# KiCad board ulx4m_panel.kicad_pcb (continued)
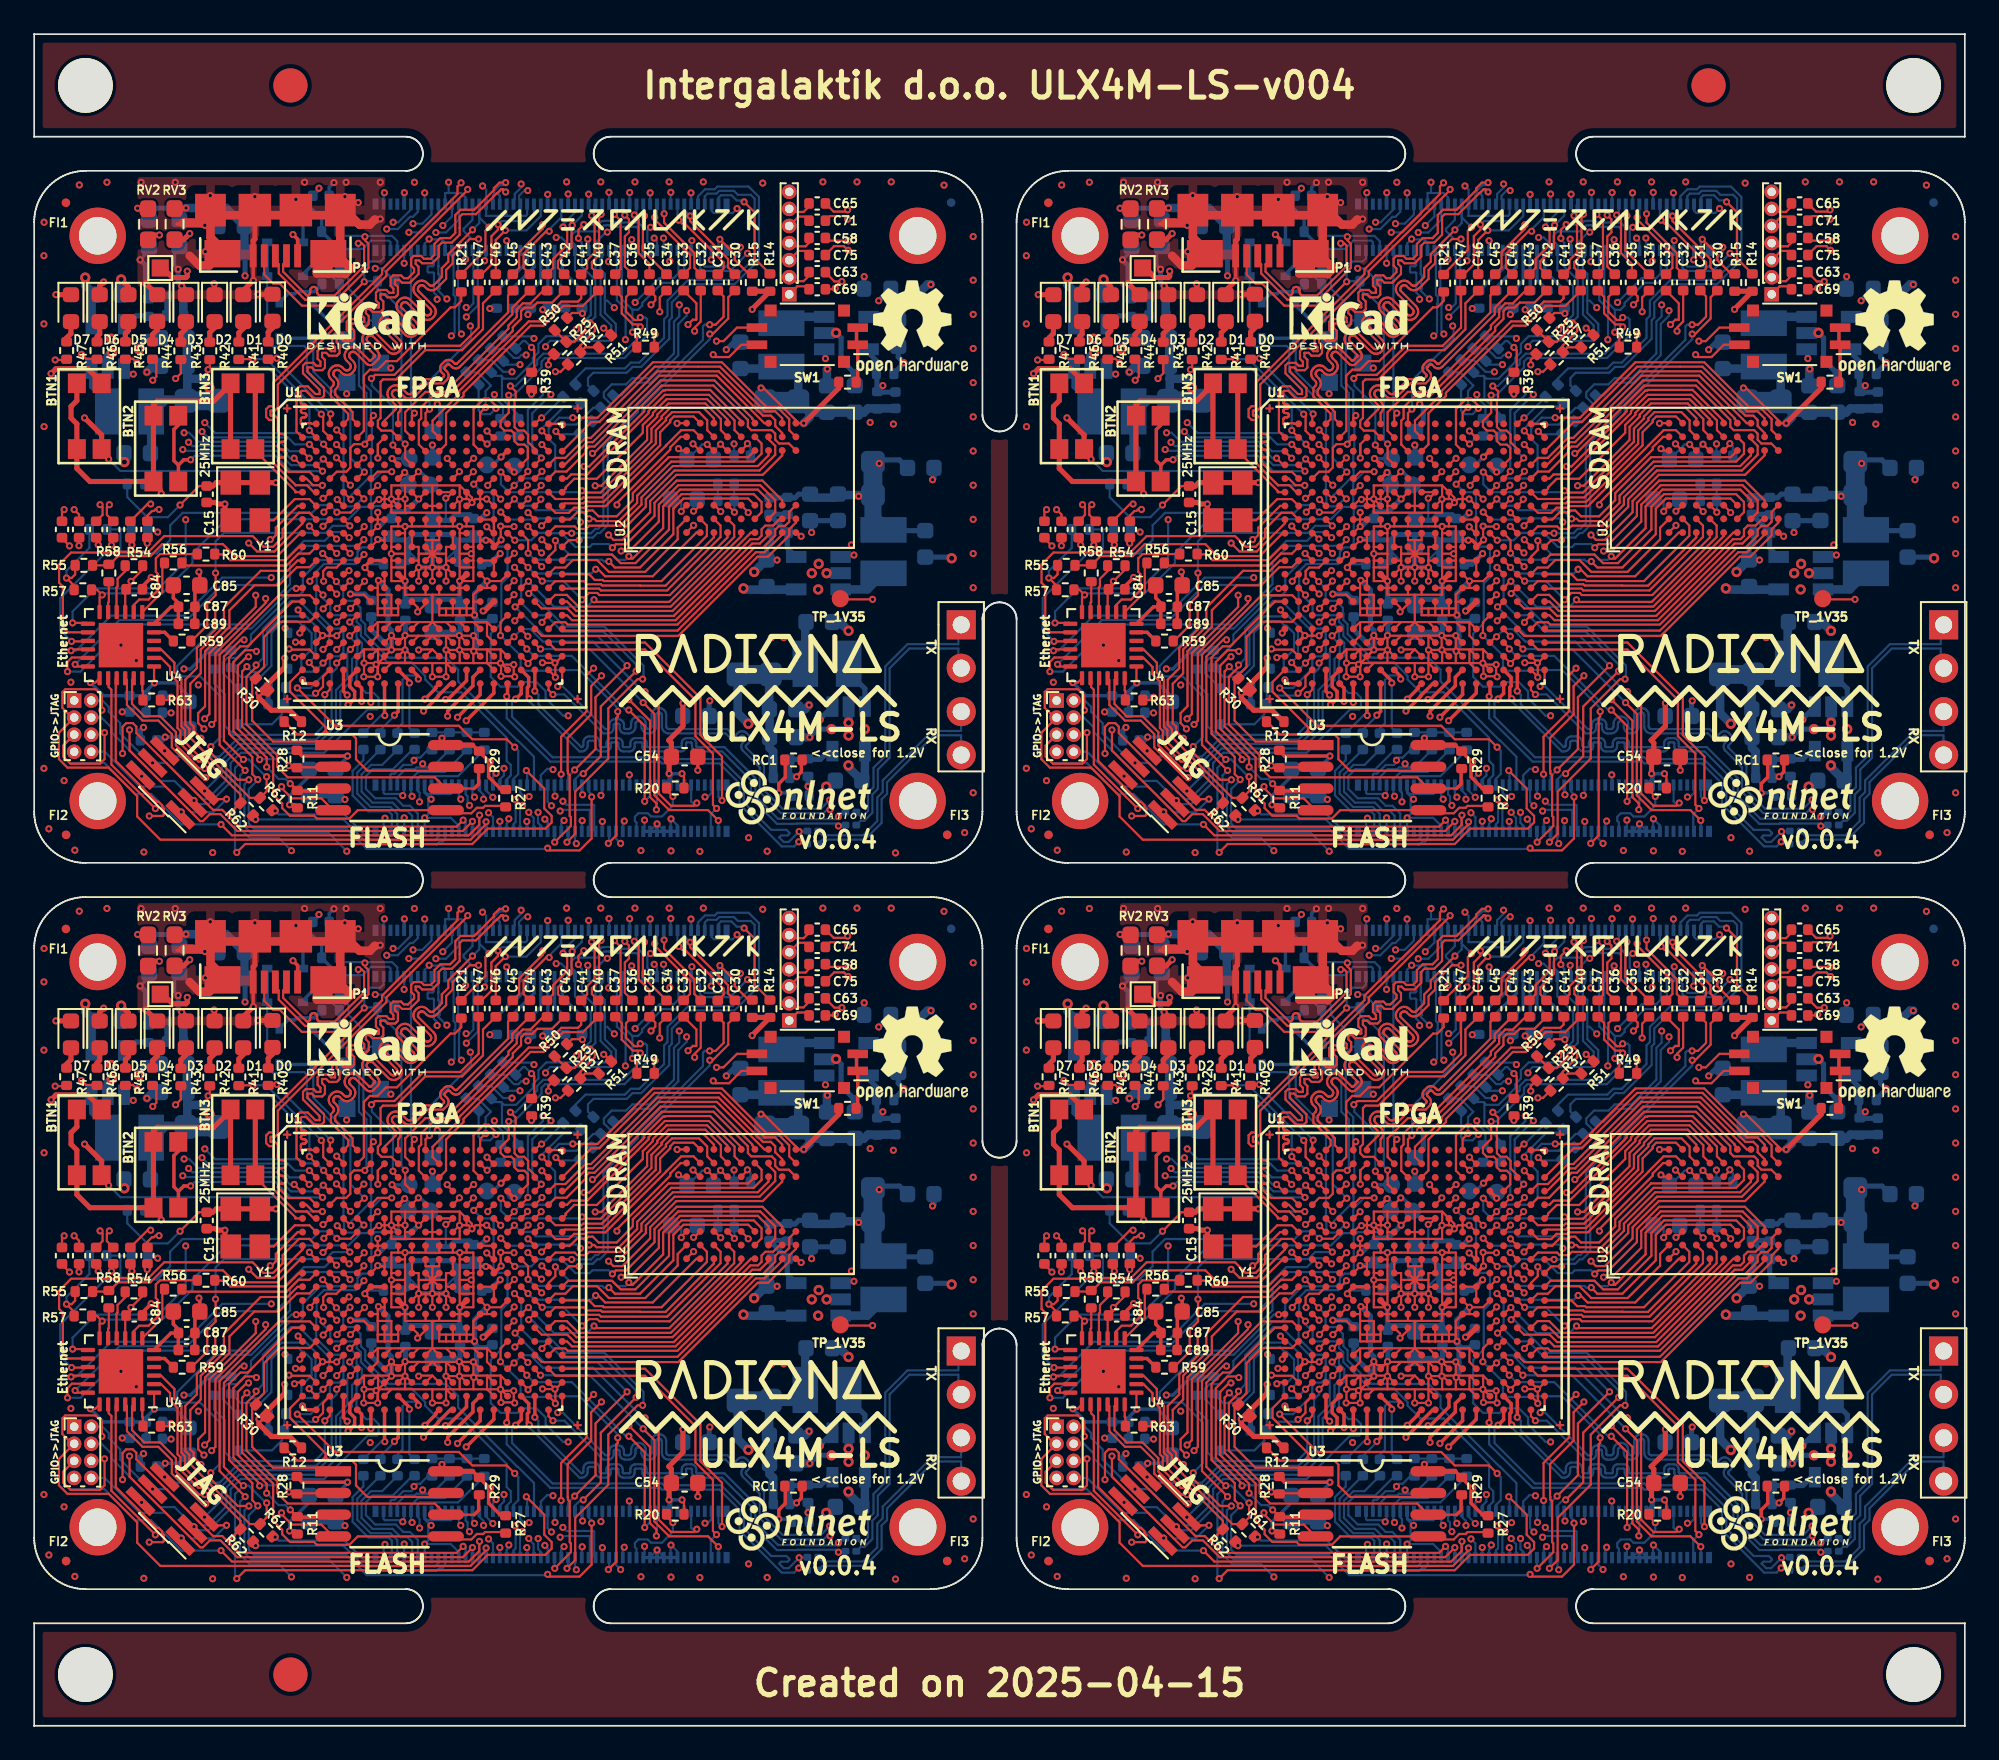
[diagram p0: board, top side]
## Routing (per net, layer and track width the routed paths; a pad name or vN(x,y) marks a point on that pad's centre or on a via; arc(x,y) is an arc through that point) (continued)
Board_0-DSI0_C_N: length 20.9
  Top w0.127: R39.1 29.28,79.37 29.28,80.51 v1(29.11,80.67)
  In2signal.Cu w0.127: v1(29.11,80.67) 29.3,80.67 29.76,81.12 v1(34.61,81.12)
  POWER.Cu w0.127: v1(35.18,83.31) 34.62,82.75 34.62,81.13 v1(34.61,81.12)
  Bottom w0.127: v1(35.18,83.31) 36.6,84.73 37.44,84.73 37.71,85 37.71,86.29 J2#2.87 ; 34.62,81.11 34.62,82.91 34.11,83.42 34.11,86.14 34.06,86.2 ; R38#2.2 28.62,81.05 28.74,81.05 v1(29.11,80.67)
Board_0-DSI0_C_P: length 20.5
  Top w0.127: v1(35.02,81.56) 35.28,81.3 R49#2.1
  In2signal.Cu w0.127: v1(29.26,81.2) 31.37,83.31 32.97,83.31 34.73,81.56 v1(35.02,81.56)
  Bottom w0.127: 34.46,86.2 34.4,86.14 34.4,83.49 35.02,82.87 ; 35.02,82.87 35.35,82.87 35.58,83.1 35.59,83.1 35.59,83.27 36.77,84.45 37.54,84.45 38.06,84.96 J2#2.89 ; 35.02,82.87 v1(35.02,81.56) ; v1(29.26,81.2) 29.14,81.32 R26#4.1
Board_0-DSI0_D0_N: length 16.3
  Top w0.127: v1(31.74,81.73) 32.26,82.25 32.59,82.25 32.82,82.02 32.82,81.63 31.97,80.78 R37#3.2 32.25,80.68 R51#2.1
  Bottom w0.127: 31.66,86.2 31.66,85.19 32.58,84.27 32.58,82.57 v1(31.74,81.73) ; J2#2.75 35.35,86.44 35.35,86.83 35.38,86.86 35.38,87.59 35.25,87.73 33.84,87.73 33.77,87.8 33.67,87.8 33.64,87.83 33.5,87.83 33.48,87.81 33.34,87.81 32.99,87.46 31.67,87.46 31.44,87.23 31.44,86.88 31.66,86.67 J2#2.57
Board_0-DSI0_D0_P: length 14.3
  Top w0.127: v1(31.86,87.06) 31.86,87.55 v1(32.17,87.86) ; R50#3.1 30.47,81.68 R25#3.1 31.62,81 v1(32.41,81.78)
  Bottom w0.127: v1(31.86,87.06) 31.86,87 32.06,86.8 J2#2.59 ; J2#2.77 35.64,86.37 35.64,87.7 35.36,87.98 33.95,87.98 33.88,88.05 33.78,88.05 33.75,88.08 33.39,88.08 33.38,88.07 33.24,88.07 33.04,87.86 v1(32.17,87.86) ; v1(32.41,81.78) 32.41,82.02 32.85,82.47 32.85,84.62 32.06,85.41 32.06,86.2
Board_0-DSI0_D1_N: length 22.3
  In2signal.Cu w0.127: v1(33.55,87.42) 34.04,87.91 35.3,87.91 36.14,87.07 v1(36.29,87.07)
  Bottom w0.127: 27.34,79.01 27.51,78.84 28.21,78.84 29.19,79.83 29.19,80.05 29.52,80.38 29.52,80.87 29.98,81.33 33.72,81.33 33.78,81.39 33.78,81.95 33.16,82.58 33.16,84.87 32.86,85.17 32.86,86.2 ; 27.34,79.01 26.96,79.01 R36#2.2 ; 27.34,79.01 27.38,78.96 27.38,77.68 28.32,76.74 R48#4.1 ; J2#2.81 36.46,86.9 v1(36.29,87.07) ; J2#2.63 32.86,86.8 33.47,87.42 v1(33.55,87.42)
Board_0-DSI0_D1_P: length 28.7
  In2signal.Cu w0.127: v1(33.96,83) 33.02,83.94 33.02,86.29 34.34,87.61 35.18,87.61 36.2,86.59 36.84,86.59 v1(36.84,87.07) ; v1(26.94,77.91) 26.94,78.55 27.64,79.24 v1(27.97,79.24) 28.68,79.24 29.94,80.5 v1(29.94,80.71)
  Bottom w0.127: v1(33.96,83) 33.55,83.41 33.41,83.41 ; v1(36.84,87.07) 36.86,87.05 J2#2.83 ; 33.26,86.2 33.26,85.96 33.15,85.85 33.15,85.24 33.41,84.98 33.41,83.41 ; R52.1 27.45,76.64 27.45,77.25 26.94,77.76 v1(26.94,77.91) ; 33.41,83.41 33.41,82.69 34.05,82.05 34.05,81.3 33.81,81.06 30.21,81.06 29.94,80.78 v1(29.94,80.71) ; R24#2.1 26.77,79.93 27.45,79.24 v1(27.97,79.24)
Board_0-DSI1_D2_N: length 21.5
  In2signal.Cu w0.127: v1(41.76,86.18) 41.95,85.99 41.95,84.43 40.89,83.37 37.97,83.37 v1(37.76,83.16)
  Bottom w0.127: v1(41.76,86.18) 40.73,85.14 39.16,85.14 38.98,85.33 38.98,85.91 38.86,86.04 J2#2.93 ; v1(37.76,83.16) 37.76,82.49 37.45,82.18 37.45,80.32 36,78.87 35.01,78.87 34.65,78.51 33.81,78.51 33.35,78.04 33.35,77.76 33.73,77.37 33.73,76.97 33.11,76.35 R34#2.2
Board_0-DSI1_D2_P: length 19.1
  In2signal.Cu w0.127: v1(41.34,86.53) 41.55,86.74 41.91,86.74 42.2,86.45 42.2,84.32 40.99,83.11 38.48,83.11 v1(38.19,82.82)
  Bottom w0.127: v1(41.34,86.53) 41.34,86.24 40.5,85.4 39.27,85.4 39.23,85.43 39.23,86.32 J2#2.95 ; R22#4.1 34.37,77.86 35.12,78.61 36.1,78.61 37.71,80.21 37.71,82.04 38.19,82.53 v1(38.19,82.82)
Board_0-DSI1_D3_N: length 23.1
  Bottom w0.127: R35#3.2 32.42,78.45 32.42,78.88 32.73,79.19 34.69,79.19 35.03,79.53 35.53,79.53 37.18,81.17 37.18,82.26 37.33,82.41 37.33,83.3 38.39,84.37 41,84.37 42.43,85.8 42.43,89.48 41.82,90.08 40,90.08 39.84,89.93 39.27,89.93 38.86,89.51 J2#2.94
Board_0-DSI1_D3_P: length 22.1
  Bottom w0.127: J2#2.96 39.26,89.51 39.42,89.67 39.94,89.67 40.1,89.83 40.97,89.83 41.2,89.6 41.95,89.6 42.18,89.37 42.18,85.9 40.89,84.62 38.28,84.62 37.07,83.41 37.07,82.52 36.87,82.32 36.87,81.23 35.43,79.78 34.93,79.78 34.59,79.44 32.28,79.44 31.69,78.85 R23.1
Board_0-ETH_0N: length 30.3
  Top w0.127: v1(7.09,53.68) 4.52,56.25 4.52,60.64 4.36,60.8 4.36,61.28 U4.20
  In2signal.Cu w0.127: v1(22.12,54.4) 22.12,54.11 21.83,53.81 15.46,53.81 14.73,53.09 13.85,53.09 13.24,53.7 9.73,53.7 9.12,53.09 8.43,53.09 7.84,53.68 v1(7.09,53.68)
  Bottom w0.127: R65#2.1 24.05,55.83 22.49,55.83 22.06,55.4 J1.10 22.06,54.47 v1(22.12,54.4)
Board_0-ETH_0P: length 33.2
  Top w0.127: U4.21 4.77,61.25 4.77,56.47 7.17,54.08 7.29,54.08 7.49,53.88 7.49,53.76 7.59,53.66 7.59,53.31 7.52,53.25 v1(6.74,53.25)
  In2signal.Cu w0.127: v1(22.56,54.08) 22.04,53.56 15.56,53.56 14.83,52.83 13.74,52.83 13.13,53.45 9.84,53.45 9.23,52.83 8.32,52.83 7.88,53.28 6.77,53.28 v1(6.74,53.25)
  Bottom w0.127: v1(22.56,54.08) 22.56,54.61 22.46,54.71 J1.12 22.46,55.44 22.59,55.58 24.81,55.58 R64#2.1
Board_0-ETH_1N: length 27.2
  Top w0.127: v1(10.04,55.49) 9.84,55.49 8.06,57.26 8.06,58.04 7.27,58.83 6.34,58.83 5.43,59.74 5.43,61.21 U4.22
  In2signal.Cu w0.127: v1(22.74,56.3) 22.66,56.3 21.26,54.91 16,54.91 15.4,54.31 13.79,54.31 13.4,54.7 11.21,54.7 10.42,55.49 v1(10.04,55.49)
  Bottom w0.127: R67#2.1 23.28,56.08 23.24,56.08 ; v1(22.74,56.3) 22.96,56.08 23.24,56.08 ; 23.24,56.08 22.38,56.08 22.28,55.98 21.73,55.98 21.26,55.51 J1.6
Board_0-ETH_1P: length 25.4
  Top w0.127: v1(9.98,56.03) 9.65,56.03 8.3,57.38 8.3,58.16 7.37,59.09 6.45,59.09 5.73,59.8 5.73,61.21 U4.23
  In2signal.Cu w0.127: v1(9.98,56.03) 10.28,56.03 11.35,54.96 13.68,54.96 14.07,54.56 15.25,54.56 15.85,55.16 21.18,55.16 22.24,56.22 v1(22.24,56.51)
  Bottom w0.127: v1(22.24,56.51) 22.39,56.67 22.6,56.67 23.05,57.12 R66#2.1 ; J1.4 20.86,55.66 20.92,55.73 21.1,55.73 21.61,56.23 22.08,56.23 22.33,56.49
Board_0-ETH_2N: length 8.2
  Bottom w0.127: J1.9 22.13,52.42 22.13,53.26 21.85,53.54 21.47,53.54 20.98,54.03 19.8,54.03 19.17,54.67 19.17,55.68 19.72,56.23 20.37,56.23 C73#2.2
Board_0-ETH_2P: length 8.6
  Bottom w0.127: 22.46,52.5 22.46,53.39 22,53.85 21.61,53.85 21.17,54.28 19.97,54.28 19.42,54.83 19.42,55.58 19.82,55.98 20.99,55.98 22.15,57.14
Board_0-ETH_3N: length 6.8
  Bottom w0.127: 21.26,52.5 21.26,53.37 20.85,53.77 19.7,53.77 18.91,54.56 18.91,55.79 20.26,57.14
Board_0-ETH_3P: length 6.7
  Bottom w0.127: J1.3 20.94,52.43 20.94,53.33 20.75,53.52 19.57,53.52 18.64,54.45 18.64,55.89 19.27,56.52 C62#3.1
Board_0-ETH_MDC: length 24.1
  Top w0.127: U1#2.J5 18.93,69.8 v1(19.32,70.19) ; U4.13 3.09,64.55 v1(2.25,64.55)
  In2signal.Cu w0.127: v1(8.87,70.59) 15.19,70.59 16,69.78 17.1,69.78 ; 17.08,69.78 17.32,70.01 17.32,70.55 17.4,70.63 18.88,70.63 v1(19.32,70.19)
  Bottom w0.127: v1(8.87,70.59) 8.87,68.16 7.28,66.57 3.6,66.57 2.25,65.22 v1(2.25,64.55)
Board_0-ETH_MDIO: length 24.2
  Top w0.127: U1#2.E6 20.11,73.4 v1(20.93,73.4) ; U4.12 3.83,66.04 v1(3.98,66.19) 3.68,66.49 R57.2
  Bottom w0.127: v1(3.98,66.19) 4.07,66.28 7.5,66.28 9.27,68.05 9.27,68.63 11.26,70.62 18.4,70.62 19.12,71.34 19.57,71.34 19.71,71.48 19.71,72.77 20.34,73.4 v1(20.93,73.4)
Board_0-ETH_nLED1: length 12.6
  Top w0.127: R62#4.1 12.96,53.12 v1(12.96,53.04)
  Bottom w0.127: v1(12.96,53.04) 18.1,53.04 19.57,51.57 23.57,51.57 23.75,51.75 23.92,51.75 24.06,51.89 J1.19
Board_0-ETH_nLED2: length 10.9
  Top w0.127: v1(14.11,53.55) 13.98,53.55 R61.1
  Bottom w0.127: v1(14.11,53.55) 14.32,53.34 18.17,53.34 19.68,51.83 23.46,51.83 23.66,52.02 J1.17
Board_0-ETH_~{RESET}: length 27.1
  Top w0.127: v1(2.19,63.47) 3.11,63.47 U4.15 ; U1#2.G5 18.52,71.01 17.74,71.01 v1(17.72,71.03)
  Bottom w0.127: 5.05,70.02 5.05,68.65 5.02,68.62 ; 5.05,70.02 C83#4.2 ; 5.05,70.02 R53#4.2 ; 5.02,68.62 7.18,68.62 7.96,69.4 7.96,70.26 8.69,70.99 16.26,70.99 16.71,71.44 17.31,71.44 v1(17.72,71.03) ; 5.02,68.62 4.15,68.62 1.53,66 1.53,64.13 v1(2.19,63.47)
Board_0-FPDI_CLK+: length 19.7
  Top w0.127: U1#2.J20 31.46,69.8 v1(31.46,69.79) ; v1(39.54,82) 39.89,82 40.36,82.47 40.36,83.66 C31#2.1
  Bottom w0.127: v1(39.54,82) 39.25,82 39.15,81.9 39.15,81.12 35.35,77.32 35.35,76.88 33.32,74.86 33.32,72.05 33.33,72.04 33.33,70.37 33.01,70.06 32.86,70.06 32.59,69.79 31.67,69.79 31.56,69.91
Board_0-FPDI_CLK-: length 20
  Top w0.127: v1(39.55,81.45) 39.72,81.45 40.63,82.36 40.63,83.61 C30#4.1 ; v1(31.9,69.39) 31.31,69.39 U1#2.K20
  Bottom w0.127: 31.97,69.54 32.7,69.54 32.97,69.8 33.12,69.8 33.58,70.27 33.58,72.15 33.58,72.15 33.58,74.75 35.6,76.78 35.6,77.21 39.55,81.16 v1(39.55,81.45)
Board_0-FPDI_D0+: length 21.3
  Top w0.127: v1(38.28,82.01) 38.56,82.29 38.77,82.29 38.77,83.25 C33#4.1 ; U1#2.F17 28.88,72.56 v1(28.88,72.61)
  In2signal.Cu w0.127: 33.4,77.63 33.46,77.7 33.48,77.72 33.49,77.75 33.5,77.77 33.5,77.8 33.49,77.83 33.48,77.86 33.46,77.88 33.36,77.98 33.31,78.04 33.27,78.12 33.26,78.19 33.26,78.27 33.27,78.35 33.31,78.43 33.36,78.49 33.46,78.59 33.52,78.64 33.59,78.67 33.67,78.69 33.75,78.69 33.83,78.67 33.9,78.64 33.96,78.59 34.07,78.48 34.09,78.46 34.12,78.45 34.14,78.44 34.17,78.44 34.2,78.45 34.22,78.46 34.25,78.48 35.43,79.66 36.14,79.66 38.28,81.8 v1(38.28,82.01) ; v1(28.88,72.61) 28.5,72.98 28.5,76.45 29.45,77.4 31.3,77.4 31.35,77.4 31.4,77.42 31.44,77.44 31.47,77.48 31.5,77.52 31.51,77.57 31.52,77.62 31.52,77.77 31.53,77.87 31.56,77.97 31.62,78.06 31.69,78.13 31.78,78.18 31.87,78.21 31.97,78.23 32.03,78.23 32.13,78.21 32.22,78.18 32.31,78.13 32.38,78.06 32.44,77.97 32.47,77.87 32.48,77.77 32.48,77.62 32.49,77.57 32.5,77.52 32.53,77.48 32.56,77.44 32.6,77.42 32.65,77.4 32.7,77.4 33.16,77.4 33.4,77.64
Board_0-FPDI_D0-: length 22
  Top w0.127: v1(38.66,81.62) 38.66,81.83 39.02,82.19 C32.1 ; U1#2.G18 29.66,71.75 v1(29.66,71.79)
  In2signal.Cu w0.127: v1(29.66,71.79) 29.28,72.17 29.28,72.79 29.3,72.81 29.3,73.6 28.76,74.14 28.76,76.35 29.55,77.14 31.33,77.14 31.43,77.15 31.52,77.18 31.61,77.23 31.68,77.31 31.74,77.39 31.77,77.49 31.78,77.59 31.78,77.75 31.79,77.79 31.8,77.84 31.83,77.88 31.86,77.92 31.9,77.94 31.95,77.96 32,77.97 32.05,77.96 32.1,77.94 32.14,77.92 32.17,77.88 32.2,77.84 32.21,77.79 32.22,77.75 32.22,77.59 32.23,77.49 32.26,77.39 32.32,77.31 32.39,77.23 32.48,77.18 32.57,77.15 32.67,77.14 33.26,77.14 33.47,77.35 33.5,77.38 33.66,77.54 33.71,77.6 33.74,77.67 33.76,77.75 33.76,77.83 33.74,77.91 33.71,77.98 33.66,78.04 33.55,78.15 33.54,78.17 33.52,78.19 33.52,78.22 33.52,78.25 33.52,78.28 33.54,78.3 33.55,78.32 33.62,78.39 33.64,78.41 33.67,78.42 33.7,78.43 33.72,78.43 33.75,78.42 33.78,78.41 33.8,78.39 33.9,78.29 33.97,78.24 34.04,78.2 34.12,78.18 34.2,78.18 34.27,78.2 34.35,78.24 34.41,78.29 35.53,79.41 36.24,79.41 38.46,81.62 v1(38.66,81.62)
Board_0-FPDI_D1+: length 17
  Top w0.127: U1#2.D18 29.69,74.17 v1(29.69,74.2) ; C35.1 36.36,83.66 36.36,83.42 v1(36.11,83.17)
  In2signal.Cu w0.127: v1(30.25,77.91) 30.48,78.14 31.25,78.14 32.57,79.46 34.38,79.46 35.61,80.69 36.58,80.69 37.13,81.23 37.13,82.82 36.78,83.17 v1(36.11,83.17)
  Bottom w0.127: v1(29.69,74.2) 29.16,74.73 29.16,76.82 v1(30.25,77.91)
Board_0-FPDI_D1-: length 17
  Top w0.127: C34.1 36.62,83.6 v1(36.62,82.76) ; v1(28.9,73.42) 28.9,73.39 U1#2.E17
  In2signal.Cu w0.127: v1(36.62,82.76) 36.83,82.55 36.83,81.3 36.48,80.94 35.51,80.94 34.28,79.71 32.47,79.71 31.15,78.4 29.99,78.4 v1(29.78,78.19)
  Bottom w0.127: v1(29.78,78.19) 29.78,77.89 28.9,77.01 v1(28.9,73.42)
Board_0-FPDI_D2+: length 17.1
  Top w0.127: U1#2.C18 29.31,74.73 28.92,75.12 28.92,75.56 28.68,75.81 28.32,75.81 28.12,76.01 28.12,77.55 28.19,77.62 28.19,78.1 v1(27.88,78.41) ; v1(35.48,81.87) 35.33,82.02 35.04,82.02 34.39,82.66 34.39,83.62 C37#4.1
  Bottom w0.127: v1(27.88,78.41) 28.17,78.41 29.45,79.68 29.45,79.95 29.8,80.3 34.44,80.3 35.48,81.35 v1(35.48,81.87)
Board_0-FPDI_D2-: length 19.2
  Top w0.127: v1(35.48,82.42) 35.33,82.27 35.14,82.27 34.65,82.77 34.65,83.62 C36#4.1 ; v1(27.78,77.87) 27.78,76.85 27.3,76.36 27.3,76.03 27.52,75.81 27.93,75.81 28.11,75.63 28.11,75.2 28.32,74.99 28.7,74.99 28.9,74.78 28.9,74.19 U1#2.D17
  Bottom w0.127: v1(27.78,77.87) 28.08,77.87 29.7,79.49 29.7,79.84 29.91,80.05 34.55,80.05 35.88,81.38 35.88,82.32 35.78,82.42 v1(35.48,82.42)
Board_0-GLOBAL_EN: length 18.5
  Top w0.127: U1#2.U18 29.31,63.35 v1(29.64,63.02) ; v1(40.05,52.99) 39.44,53.59 37.17,53.59 36.31,54.46 36.31,59.23 v1(35.65,59.88)
  Bottom w0.127: v1(40.05,52.99) 40.06,52.98 J1.99 ; v1(29.64,63.02) 32.51,63.02 v1(35.65,59.88)
Board_0-GN0: length 14.4
  Top w0.127: C40.1 32.12,83.09 30.97,83.09 29.81,81.94 29.05,81.94 25.13,78.02 25.13,77.84 24.11,76.82 24.11,75 U1#2.C11
Board_0-GN3: length 14.4
  Top w0.127: U1#2.C10 22.52,74.99 22.52,76.38 22.66,76.52 22.66,77.16 23.3,77.81 24.19,77.81 28.02,81.64 28.02,81.85 28.5,82.34 28.5,82.79 28.71,83 29.16,83 29.46,83.29 30.32,83.29 C42#2.1
Board_0-GN4: length 14
  Top w0.127: U1#2.A8 21.31,76.83 21.33,76.85 21.39,76.93 21.44,77.02 21.46,77.12 21.46,77.22 21.44,77.32 21.39,77.41 21.33,77.48 21.01,77.81 20.98,77.85 20.96,77.89 20.94,77.94 20.94,77.99 20.96,78.04 20.98,78.08 21.01,78.12 21.05,78.15 21.09,78.17 21.14,78.19 21.19,78.19 21.24,78.17 21.28,78.15 21.32,78.12 21.64,77.8 21.72,77.74 21.81,77.69 21.91,77.67 22.01,77.67 22.11,77.69 22.2,77.74 22.28,77.8 23.04,78.56 23.95,78.56 24.16,78.78 24.21,78.84 24.24,78.91 24.26,78.98 24.26,79.06 24.24,79.13 24.21,79.2 24.16,79.26 24.06,79.37 24.04,79.39 24.03,79.41 24.02,79.43 24.02,79.46 24.03,79.48 24.04,79.5 24.06,79.52 24.18,79.65 24.2,79.66 24.22,79.67 24.24,79.68 24.27,79.68 24.29,79.67 24.32,79.66 24.34,79.65 24.44,79.54 24.5,79.49 24.57,79.46 24.64,79.44 24.72,79.44 24.8,79.46 24.87,79.49 24.93,79.54 27.99,82.61 27.99,83 28.99,84 C44#4.1
Board_0-GN5: length 14
  Top w0.127: U1#2.B8 20.91,75.8 20.33,75.8 20.12,76.01 20.12,76.38 20.28,76.54 20.28,78.66 20.42,78.8 21.18,78.8 22.89,80.51 25.05,80.51 26.27,81.73 26.27,83.25 C46.1
Board_0-GND: length 339.2
  Top w0.127: 24.91,72.6 24.91,71.8 v1(24.9,71.79) ; 24.91,72.6 25.63,71.88 v1(25.63,71.59) ; 24.91,72.6 23.31,72.6 ; 23.31,69.4 22.91,69.4 U1#2.J10 ; 23.31,69.4 23.31,68.6 ; 23.31,69.4 23.71,69.4 U1#2.J11 ; v1(21.71,71.8) 21.71,71.4 ; v1(21.71,71.8) 21.71,72.6 ; v1(21.71,71.8) 21.31,71.8 ; 21.71,71.4 21.71,71 ; 21.71,71.4 U1#2.G9 ; U1#2.U7 20.91,63.8 v1(20.91,63.82) ; v1(27.31,70.21) 27.34,70.21 27.34,70.21 ; v1(27.31,70.21) 27.33,70.19 28.09,70.19 v1(28.09,70.19) ; v1(27.31,70.21) 27.31,69.44 v1(27.34,69.41) 27.32,69.41 ; 23.31,68.6 22.51,68.6 ; 23.31,68.6 v1(23.31,67.8) ; 23.31,68.6 U1#2.L11 ; 23.31,68.6 24.11,68.6 ; 23.31,68.6 U1#2.K11 ; 23.31,68.6 U1#2.L10 ; 23.31,68.6 U1#2.K10 ; 20.11,66.6 20.11,66.2 ; 20.11,66.6 U1#2.N6 ; 20.11,66.6 20.11,67 ; 20.11,66.2 20.11,65.4 ; 20.11,66.2 20.91,66.2 20.91,65.4 ; U1#2.H19 30.07,70.6 v1(29.71,70.23) ; v1(24.9,71.79) 24.91,71.8 25.31,71.8 ; v1(24.9,71.79) 24.9,71.79 U1#2.G12 ; v1(24.9,71.79) 24.91,71.78 24.91,71 23.31,71 ; v1(24.88,63.81) 24.87,63.8 24.11,63.8 ; v1(24.88,63.81) 24.9,63.8 v1(25.71,63.8) ; v1(24.88,63.81) 24.89,63.81 U1#2.U13 ; v1(24.88,63.81) 24.88,63.04 24.93,63 ; 23.71,67.8 v1(23.31,67.8) ; 23.71,67.8 U1#2.M11 ; 23.71,67.8 v1(24.11,67.8) ; v1(23.31,67.8) v1(23.31,67) ; v1(23.31,67.8) 22.91,67.8 ; v1(20.91,71.8) 20.21,71.8 v1(20.19,71.77) 20.09,71.77 U1#2.G6 ; v1(20.91,71.8) 20.91,71 21.71,71 ; v1(20.91,71.8) U1#2.G8 ; v1(20.91,71.8) 20.91,72.6 21.71,72.6 ; v1(20.91,71.8) 21.31,71.8 ; 20.51,65.4 20.51,65 ; 20.51,65.4 20.91,65.4 ; 20.51,65.4 U1#2.P7 ; 20.51,65.4 20.11,65.4 ; 20.51,65 20.11,65 20.11,65.4 ; 20.51,65 20.91,65 ; v1(22.51,67.8) 22.51,68.2 ; v1(22.51,67.8) U1#2.M9 ; v1(22.51,67.8) 22.91,67.8 ; v1(22.51,67.8) v1(22.51,67) ; 22.51,68.2 22.51,68.6 ; 22.51,68.2 U1#2.L9 ; v1(36.35,81.44) 36.3,81.39 R49#2.2 ; U2#2.D7 40.55,74.64 v1(40.18,75.01) ; v1(40.19,71.07) 39.82,71.44 U2#2.C3 ; v1(20.02,62.12) 20.02,62.1 U1#2.W6 ; v1(20.02,62.12) 20.09,62.2 20.91,62.2 ; v1(20.02,62.12) 20.11,62.03 v1(20.11,61.4) ; v1(20.02,62.12) 20.13,62.23 20.13,63 ; v1(20.02,62.12) 19.95,62.2 v1(19.31,62.2) ; 24.11,62.2 v1(24.11,62.97) ; 24.11,62.2 23.31,62.2 ; 24.11,62.2 24.91,62.2 ; 24.11,62.2 v1(24.11,61.4) v1(23.31,61.4) 23.31,62.2 ; 24.11,62.2 U1#2.W12 ; v1(24.11,62.97) 24.14,62.97 U1#2.V12 ; v1(24.11,62.97) v1(24.9,62.97) 24.93,63 24.93,63 ; v1(24.11,62.97) 24.11,63.76 ; v1(37.88,71.07) 37.88,71.13 U2#2.A3 ; v3(14.48,54.97) 14.48,54.89 15.09,54.28 16.81,54.28 U3.4 ; 25.31,71.8 25.42,71.8 v1(25.63,71.59) ; 25.31,71.8 U1#2.F13 ; 24.51,65.4 24.51,65 ; 24.51,65.4 U1#2.P12 ; 24.51,65.4 24.11,65.4 ; 24.51,65.4 24.91,65.4 ; 24.51,65 24.11,65 ; 24.51,65 24.91,65 ; 23.31,62.2 21.71,62.2 ; U1#2.F7 U1#2.G7 ; U1#2.G17 28.91,71.8 v1(28.91,71.81) ; v1(24.11,67) v1(24.11,67.8) ; v1(24.11,67.8) U1#2.M12 ; v1(24.11,67.8) 24.11,68.2 ; 24.11,68.2 U1#2.L12 ; 24.11,68.2 24.11,68.6 ; 24.93,63 25.62,63 v1(25.73,62.89) ; 24.93,63 24.91,62.98 ; 25.71,62.2 25.71,62.87 v1(25.73,62.89) ; 25.71,62.2 24.91,62.2 ; 25.71,62.2 26.51,62.2 ; 26.11,69.4 U1#2.K14 ; 26.11,69.4 U1#2.J14 ; 26.11,69.4 26.43,69.4 v1(26.44,69.39) 26.52,69.39 ; v1(16.14,66.98) 16.14,67.03 U1#2.M2 ; v1(38.57,75.03) 38.96,74.64 U2#2.B7 ; 28.11,70.21 v1(28.09,70.19) ; v1(28.09,70.19) 28.11,70.19 28.13,70.21 ; 26.51,62.2 27.29,62.2 v1(27.3,62.19) ; 26.51,62.2 U1#2.W15 ; 26.51,62.2 26.51,62.98 ; v1(20.91,62.97) 20.88,63 20.13,63 ; v1(20.91,62.97) 20.88,62.97 U1#2.V7 ; v1(20.91,62.97) 20.11,62.16 v1(20.11,61.4) ; v1(20.91,62.97) 20.94,63 21.73,63 21.71,62.98 ; v1(20.91,62.97) 20.91,62.97 v1(20.91,63.82) ; U1#2.P11 23.71,65.4 ; 23.71,65.4 24.11,65.4 ; 23.71,65.4 23.71,65 24.11,65 ; v1(32.09,82.66) 32.07,82.69 31.48,82.69 R50#3.2 ; 24.11,65 24.11,65.4 ; v1(19.31,62.2) 19.31,63 ; v1(19.31,62.2) 19.31,61.41 v1(19.29,61.4) v1(20.11,61.4) ; v1(38.6,70.26) 38.19,69.85 U2#2.A1 ; v1(29.73,64.58) 29.73,64.62 U1#2.R19 ; v1(21.71,63.82) 21.73,63.8 22.51,63.8 ; v1(21.71,63.82) 21.5,63.61 21.12,63.61 v1(20.91,63.82) ; v1(21.71,63.82) 21.71,63.8 U1#2.U8 ; v1(21.71,63.82) 21.71,63.81 21.71,62.98 ; 20.13,63 20.11,63 ; 22.91,67.8 U1#2.M10 ; 21.71,62.98 21.71,62.2 ; v1(25.73,62.89) 25.82,62.89 U1#2.V14 ; v1(25.73,62.89) 25.84,63 26.53,63 ; v1(25.73,62.89) 25.71,62.91 v1(25.71,63.8) ; 21.71,72.6 23.31,72.6 ; 26.09,71.8 26.11,71.82 U1#2.F14 ; 26.09,71.8 26.11,71.78 U1#2.G14 ; 26.09,71.8 25.84,71.8 v1(25.63,71.59) ; 26.09,71.8 v1(26.49,71.8) 26.51,71.8 U1#2.G15 ; 25.31,65 25.77,65 v1(25.78,65.01) 25.71,65.08 25.71,65.4 ; 25.31,65 25.31,65.4 ; 25.31,65 24.91,65 ; v1(26.51,67) 26.51,66.6 ; v1(26.51,67) U1#2.M14 ; v1(26.51,67) 27.31,67 U1#2.M16 ; 26.51,66.6 U1#2.N15 ; 26.51,66.6 U1#2.N14 25.71,66.2 25.71,65.78 ; U1#2.K7 20.51,69.4 ; 20.51,69.4 U1#2.J7 ; 20.51,69.4 20.15,69.4 v1(20.11,69.43) 20.11,69.4 U1#2.K6 ; v1(8.02,60.19) 7.86,60.04 R63#4.2 ; 26.51,62.98 26.53,63 ; 26.51,62.98 26.53,62.98 U1#2.V15 ; 26.53,63 27.31,63 ; v1(25.63,71.59) 25.44,71.4 U1#2.G13 ; R51#2.2 33.37,81.8 v1(33.34,81.8) ; U1#2.V9 21.74,62.97 v1(21.71,62.97) 21.68,62.97 U1#2.V8 ; v1(8.61,53.49) 8.56,53.44 J3#3.1 8.56,53.42 ; 23.31,71 21.71,71 ; 23.31,71 23.31,72.6 ; U1#2.J12 U1#2.K12 24.11,69 24.11,68.6 ; 25.31,65.4 25.71,65.4 ; 25.31,65.4 U1#2.P13 ; 25.31,65.4 24.91,65.4 ; 25.71,65.4 25.71,65.78 ; v1(41.8,71) 41.8,71.03 U2#2.E3 ; U1#2.M7 20.51,67 ; 20.51,67 20.11,67 ; 20.51,67 U1#2.N7 ; 25.71,65.78 25.72,65.8 U1#2.P14 ; 20.11,67 20.15,67.04 v1(20.15,67.04) ; 24.11,63.76 24.15,63.76 U1#2.U12 ; 24.11,63.76 24.13,63.78 24.11,63.8 ; 24.91,62.2 24.91,62.98 ; 24.91,62.98 24.93,62.98 U1#2.V13 ; U1#2.F8 21.31,71.8 ; 20.91,65.4 21.31,65.4 ; 20.91,65.4 20.91,65 ; U1#2.B14 26.49,75.02 v1(26.52,75.02) ; 20.12,75.01 v1(20.12,74.2) 20.12,75.01 ; 20.12,75.01 U1#2.B7 ; U1#2.U14 25.71,63.8 v1(25.71,63.8) ; 19.31,63 U1#2.V5 ; 19.31,63 20.11,63 ; 22.51,68.6 22.51,69 U1#2.K9 U1#2.J9 ; 20.11,63 U1#2.V6 ; U1#2.R4 v1(17.71,64.6) ; v1(27.3,62.19) 27.38,62.11 v1(28.07,62.11) 28.07,61.45 v1(28.13,61.4) 28.1,61.42 v1(27.33,61.42) 27.33,62.16 v1(27.3,62.19) ; v1(27.3,62.19) 27.31,62.19 U1#2.W16 ; v1(27.3,62.19) 27.31,62.2 27.31,63 ; U1#2.U4 v1(17.71,63) ; 20.91,62.2 U1#2.W7 ; 20.91,62.2 21.71,62.2 ; 21.31,65.4 21.31,65 20.91,65 ; 21.31,65.4 U1#2.P8 ; U1#2.G11 U1#2.G10 ; 27.31,63 U1#2.V16 ; v1(30.49,62.21) 29.76,62.21 v1(29.75,62.22) ; v1(30.49,62.21) 30.51,62.18 v1(30.51,61.37) 30.51,61.4 U1#2.W19 ; v1(30.49,62.21) 30.49,62.22 U1#2.V19 ; v1(29.11,77.93) 29.12,77.94 R39.2 ; 24.91,65.4 24.91,65 ; 23.31,63.8 24.11,63.8 ; 23.31,63.8 22.51,63.8 ; 23.31,63.8 U1#2.U11 ; 23.31,63.8 U1#2.U10 ; U1#2.J2 16.11,70.2 v1(16.11,70.21) ; U1#2.U9 22.51,63.8 ; v1(44.9,69.62) 44.68,69.84 U2#2.J1 ; U1#2.V20 30.51,62.19 ; U1#2.C19 v1(29.72,74.99) ; U1#2.D4 v1(17.69,74.21) ; v1(17.74,71.77) U1#2.G4
  Top w0.2: v1(26.44,69.39) 26.67,69.39 26.91,69.15 U1#2.K15 26.92,69 v1(27.34,69.41) ; 38.85,56.76 v3(38.85,55.92) ; v1(9.65,67.53) 9.7,67.48 C85#4.2 ; 9.43,66.78 9.41,66.76 C87#4.2 9.4,65.48 C89#2.2 ; C84#2.2 6.34,66.69 v1(6.85,67.21) ; 12.82,85.73 12.82,84.6 v1(12.83,84.59) ; 9.3,87.98 9.21,87.9 8.36,87.9 ; 19.98,88.14 20.22,88.14 v1(20.26,88.19) ; U1#2.G7 20.91,71.4
  Top w0.3: D7.1 1.27,83.75 v1(1.27,83.76) ; v1(10.54,84.39) 10.56,84.37 D2#3.1 ; Y1#2.2 11.17,70.9 v3(11.17,71.51) 10.73,71.51 10.64,71.6 C15#3.2 ; 15.32,88.41 15.32,89.33 v1(15.32,89.33) ; v1(12.92,89.5) 12.92,87.02 12.82,86.92 12.82,85.73 ; D5#3.1 5.52,84.22 v2(5.09,84.65) ; D4#2.1 7.19,83.75 v3(6.53,84.42) ; 26.51,69.39 26.45,69.39 v1(26.44,69.39) ; D1#4.1 12.24,84 v1(12.83,84.59) ; 10.32,88.41 10.32,89.55 v1(10.31,89.56) ; v1(8.64,84.27) 8.88,84.03 D3#2.1 ; 17.92,88.41 17.92,89.23 v1(18.19,89.5) ; D6#4.1 3.84,84.26 v1(4.07,84.5) ; 30.51,62.19 30.5,62.19 v1(30.49,62.21) ; D0#2.1 13.11,83.78 v1(13.11,83.78) ; 20.93,63.01 20.91,63 v1(20.91,62.97)
  Top w0.5: 17.22,85.86 17.92,85.86 ; 17.22,85.86 16.55,85.19 16.55,85 18.17,85 18.2,84.97 18.46,85.23 18.46,85.37 17.97,85.86 17.22,85.86 ; 17.22,85.86 17.22,85.01 17.21,85 ; 17.22,85.86 17.22,86.06 17.92,86.76 17.92,88.41 ; 10.32,88.41 10.32,87.11 11.02,86.41 11.02,85.86 10.64,85.86 10.25,85.47 9.67,85.47 9.1,86.04 ; 10.32,88.41 9.85,87.93 8.71,87.93 8.76,87.98 9.3,87.98 ; 10.32,88.41 17.92,88.41 ; 17.92,88.41 18.49,88.41 19.04,87.86 19.65,87.86 19.94,88.14 19.98,88.14
  Bottom w0.127: v1(28.84,52.93) 28.86,52.91 J1.43 ; J2#2.91 38.46,86.88 v1(38.5,86.93) ; v1(24.11,67.8) 24.11,68.23 24.71,68.83 ; 24.27,89.71 24.06,89.71 ; 24.27,89.71 25,89.71 25.26,89.44 J2#2.26 ; 24.27,89.71 24.26,89.72 v1(24.26,90.34) ; J1.60 32.06,54.53 v1(32.1,54.49) ; J2#2.55 31.26,86.7 30.86,87.11 v1(30.56,87.11) ; v1(26.52,75.02) 26.99,75.49 R52.2 R48#4.2 ; v3(33.62,85.69) 33.66,85.72 J2#2.67 ; J1.8 21.66,54.52 v1(21.58,54.44) ; 22.86,86.2 22.86,86.75 v3(23.12,87.01) 23.14,86.99 23.87,86.99 24.06,86.8 J2#2.19 ; 25.92,63.21 25.92,63.22 25.89,63.24 ; v3(36.06,89.72) 36.06,89.71 J2#2.80 ; v1(34.84,55.66) 34.86,55.64 J1.74 ; C78#3.2 39.77,74.59 v1(40.18,75.01) ; J1.66 33.26,54.53 v1(33.18,54.45) ; J2#2.50 30.06,89.62 v3(30.06,89.63) ; v3(33.65,89.75) 33.66,89.74 J2#2.68 ; v1(26.37,85.74) 26.46,85.83 J2#2.31 ; v3(38.45,89.72) 38.46,89.71 J2#2.92 ; v1(21.58,54.44) 21.48,54.54 20.52,54.54 20.46,54.6 J1.2 ; v1(21.58,54.44) 21.6,54.44 ; 21.91,68.08 21.81,67.98 C14.2 ; J1.22 24.46,54.6 24.39,54.54 23.01,54.54 22.86,54.69 J1.14 ; J1.59 32.06,52.95 v1(32.08,52.98) ; J2#2.62 32.46,89.63 v3(32.46,89.64) ; J2#2.85 37.26,85.76 v1(37.21,85.72) ; v1(22.86,53.14) 22.86,53.14 J1.13 ; v1(22.86,53.14) 24.39,53.14 24.86,52.67 J1.23 ; v1(22.86,53.14) 23.07,53.35 23.07,54.39 22.86,54.6 J1.14 ; v1(26.6,53.44) 26.86,53.18 26.86,52.35 J1.33 ; J2#2.97 39.66,85.82 v3(39.64,85.8) ; J2#2.56 31.26,89.64 v3(31.26,89.65) ; v1(23.24,54.23) 22.86,54.61 J1.14 ; v1(30.49,54.41) 30.46,54.44 J1.52 ; v1(18.29,77.96) 18.31,77.98 D9#4.2 ; v1(31.02,52.99) 30.86,52.83 J1.53 ; v1(39.27,54.36) 39.42,54.36 39.66,54.6 J1.98 ; J1.1 20.46,53.04 v1(20.54,53.12) ; J2#2.7 v1(21.66,85.6) ; v1(26.67,82.95) 26.69,82.96 R17#4.1 ; v1(25.78,65.01) 25.76,65.01 25.71,64.95 ; v1(26.85,54.34) 26.46,54.73 26.46,55.21 ; v1(40.19,71.07) 39.97,71.29 39.97,71.64 C81.2 C79.2 ; J2#2.79 36.06,86.71 35.89,86.87 35.89,87.52 v1(36.07,87.7) ; 21.91,68.83 21.91,68.75 22.51,68.15 v1(22.51,67.8) ; J2#2.25 25.26,85.83 v1(25.25,85.83) ; C82.2 37.72,71.79 37.88,71.62 v1(37.88,71.07) ; 26.46,69.39 v1(26.44,69.39) ; v3(7.23,69.87) 7.08,70.02 C83#4.1 ; v1(20.88,79.47) 20.6,79.75 D8.2 ; J2#2.37 27.66,86.91 v3(27.66,86.91) ; J2#2.73 34.86,86.85 v3(34.98,86.97) ; J2#2.98 39.66,88.67 39.79,88.54 40.89,88.54 v3(41.15,88.8) ; 21.91,69.4 21.91,69.42 ; v3(34.86,89.74) 34.86,89.73 J2#2.74 ; 27.69,88.37 27.66,88.4 J2#2.38 ; 27.69,88.37 28.78,88.37 28.86,88.45 28.86,88.91 ; 27.69,88.37 26.44,88.37 26.46,88.38 J2#2.32 26.46,89.91 v1(26.25,90.12) ; v3(32.41,87.01) 32.46,86.96 J2#2.61 ; J1.42 28.46,54.6 28.67,54.39 v1(28.97,54.39) ; v1(21.66,53.14) 21.66,53.14 J1.7 ; J2#2.86 37.26,89.73 v3(37.27,89.75) ; v1(22.86,89.72) 22.86,89.71 22.86,88.91 ; J1.65 33.26,52.92 v1(33.26,52.93) ; J2#2.20 24.06,89.71 ; C80#4.2 v1(40.97,75.03) ; J1.71 34.46,52.86 v1(34.54,52.95)